# KiCad board latentpink.kicad_pcb (continued)
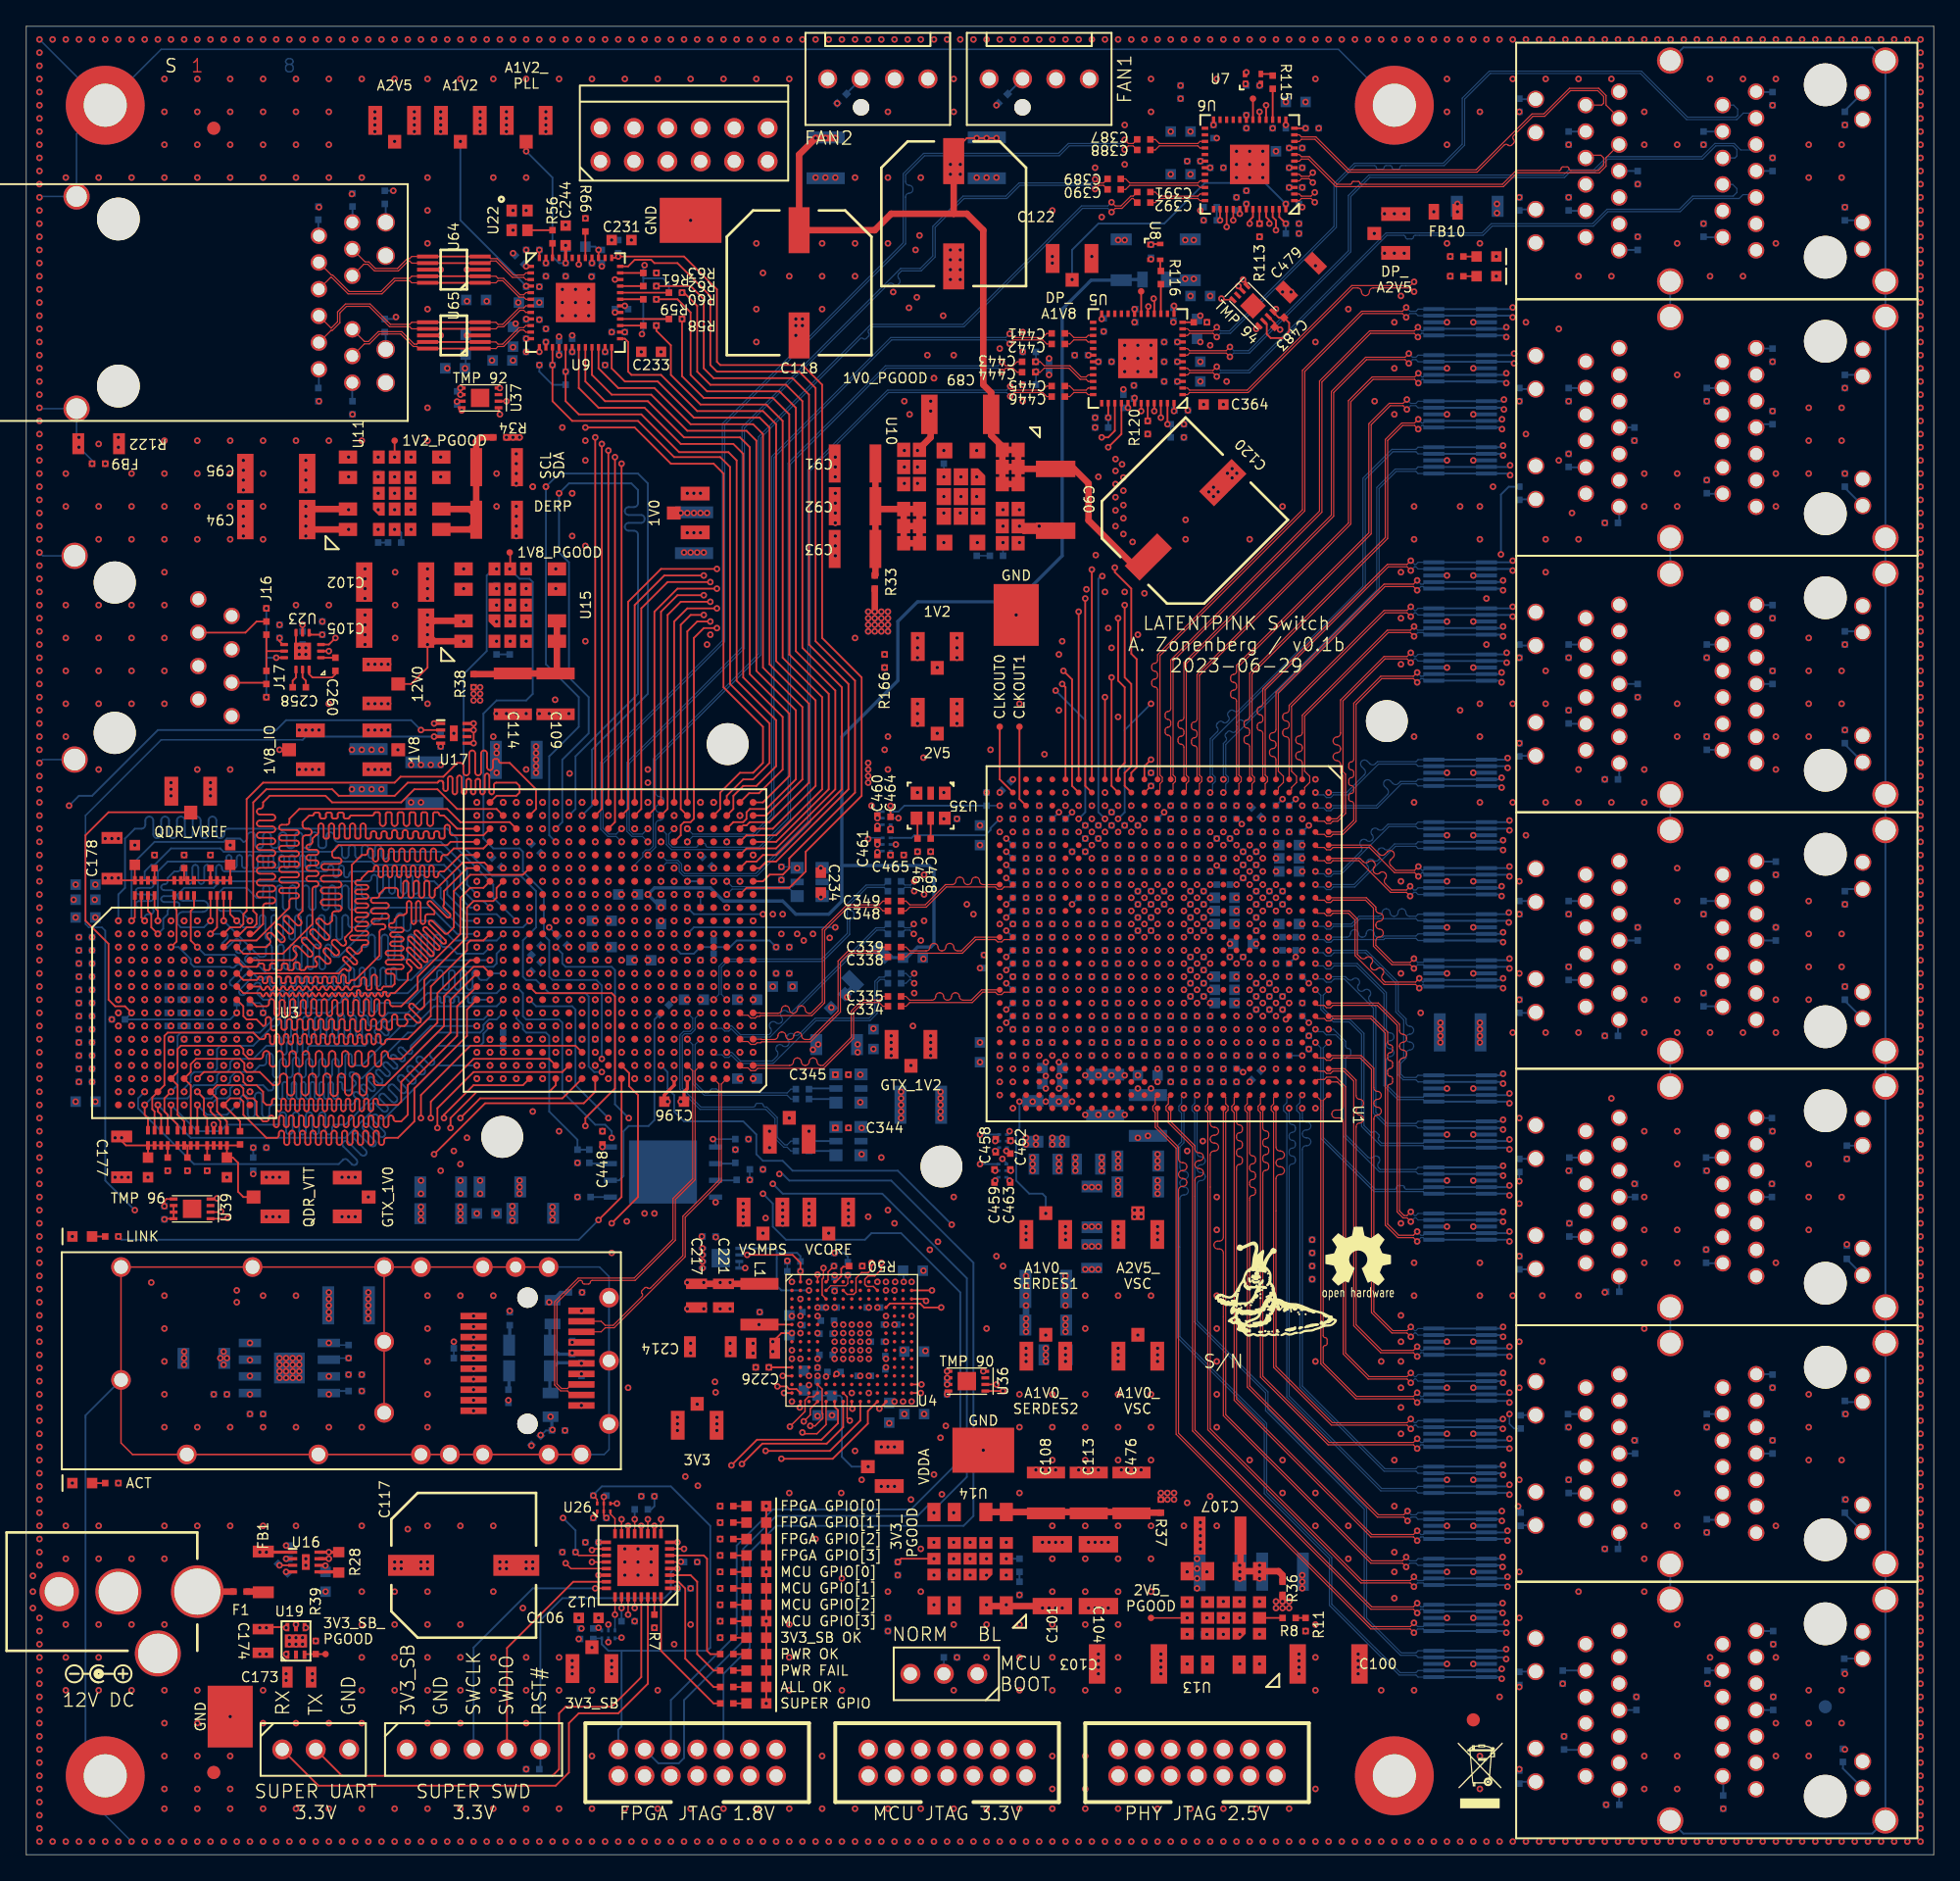
[diagram p0: board, top side]
## Routing (per net, layer and track width the routed paths; a pad name or vN(x,y) marks a point on that pad's centre or on a via; arc(x,y) is an arc through that point) (continued)
  In2.Cu w0.115: v1(82.8,106.1) 83,106.3 83,117.25 84.05,118.3 v1(85.7,118.3) 86.3,118.9 86.3,133.05 87.25,134 93.25,134 v1(94.25,133)
  In5.Cu w0.115: v1(82.8,106.1) 81.65,106.1 79.5,108.25 45.75,108.25 v1(44.25,106.75)
/SGMII PHYs/DP_MDIO: length 106.4
  Top w0.14: U6.17 v1(93.75,132.5) ; U5.17 85.25,117.65 v1(85.3,117.7) ; U2.Y12 44.75,78.5 v1(44.75,106.25)
  In2.Cu w0.115: v1(83.3,105.7) 83.4,105.8 83.4,109.09 85,110.69 85,117.4 v1(85.3,117.7) 86.2,117.7 87.5,119 87.5,133.25 v1(87.75,133.5) 92.75,133.5 v1(93.75,132.5)
  In5.Cu w0.115: v1(44.75,106.25) 46.5,108 79.25,108 81.55,105.7 v1(83.3,105.7)
/SGMII PHYs/ETH12_A_N: length 28.6
  Top w0.09: U6.2 96.78,126.25 96.94,126.09 97.67,126.09 v1(97.95,126.38)
  In2.Cu w0.081: v1(97.95,126.38) 98.24,126.09 109.44,126.09 111.54,123.98 115.39,123.98 117.69,121.69 119.36,121.69 120.01,122.34 120.01,123.21 119.83,123.4 118.99,123.4 J22.21
/SGMII PHYs/ETH12_A_P: length 28.7
  Top w0.09: v1(97.95,125.62) 97.67,125.91 96.94,125.91 96.78,125.75 U6.1
  In2.Cu w0.081: v1(97.95,125.62) 98.24,125.91 109.36,125.91 111.46,123.81 115.31,123.81 117.61,121.52 119.44,121.52 120.19,122.26 120.19,123.69 120.48,123.98 J22.15
/SGMII PHYs/ETH12_A_TAP: length 1.4
  Bottom w0.14: C450.1 121.12,122
/SGMII PHYs/ETH12_B_N: length 26.5
  Top w0.09: U6.5 96.78,127.75 96.94,127.59 97.52,127.59 v1(97.8,127.88)
  In2.Cu w0.081: v1(97.8,127.88) 98.09,127.59 116.46,127.59 116.96,128.09 119.74,128.09 120.09,127.74 120.09,126.99 J22.16
/SGMII PHYs/ETH12_B_P: length 26.6
  Top w0.09: U6.4 96.78,127.25 96.94,127.41 97.52,127.41 v1(97.8,127.12)
  In2.Cu w0.081: v1(97.8,127.12) 98.09,127.41 99.54,127.41 arc(99.61,127.38) 99.64,127.31 arc(99.68,127.23) 99.75,127.2 100.14,127.2 arc(100.21,127.23) 100.24,127.31 arc(100.28,127.38) 100.35,127.41 115.62,127.41 arc(115.68,127.39) 115.7,127.33 arc(115.73,127.27) 115.79,127.25 116.22,127.25 arc(116.28,127.27) 116.3,127.33 arc(116.33,127.39) 116.39,127.41 116.54,127.41 117.04,127.91 119.66,127.91 119.91,127.66 119.91,126.89 119.84,126.81 119.41,126.81 119.4,126.8 118.73,126.8
/SGMII PHYs/ETH12_B_TAP: length 1.3
  Bottom w0.14: J22.22 117.28,124.97
/SGMII PHYs/ETH12_C_N: length 27.4
  Top w0.09: U6.8 96.78,129.25 96.94,129.09 97.54,129.09 99.64,126.99 100.66,126.99 arc(100.74,127.02) 100.77,127.1 arc(100.8,127.18) 100.88,127.21 101.26,127.21 arc(101.34,127.18) 101.37,127.1 arc(101.4,127.02) 101.48,126.99 112.21,126.99 113.26,128.04 116.54,128.04 arc(116.63,128.08) 116.67,128.18 arc(116.71,128.27) 116.81,128.31 117.14,128.31 arc(117.23,128.27) 117.27,128.18 arc(117.31,128.08) 117.41,128.04 119.51,128.04 119.91,128.44 119.91,128.99 119.7,129.2 118.76,129.2
/SGMII PHYs/ETH12_C_P: length 27.3
  Top w0.09: U6.7 96.78,128.75 96.94,128.91 97.46,128.91 99.56,126.81 112.29,126.81 113.34,127.86 119.59,127.86 120.09,128.36 120.09,129.01 J22.18
/SGMII PHYs/ETH12_C_TAP: length 1.4
  Bottom w0.14: C452.1 J22.17
/SGMII PHYs/ETH12_D_N: length 29.7
  Top w0.09: J22.19 120.09,133.02 120.09,133.74 119.54,134.29 117.31,134.29 115.36,132.34 114.46,132.34 110.21,128.09 100.54,128.09 98.04,130.59 96.94,130.59 96.78,130.75 U6.11
/SGMII PHYs/ETH12_D_P: length 29.8
  Top w0.09: J22.26 119.76,133.01 119.91,133.16 119.91,133.66 119.46,134.11 117.39,134.11 115.44,132.16 114.54,132.16 113.06,130.69 arc(113,130.54) 113.06,130.4 arc(113.12,130.26) 113.06,130.11 112.93,129.97 arc(112.78,129.92) 112.64,129.97 arc(112.5,130.03) 112.35,129.97 110.29,127.91 100.46,127.91 97.96,130.41 96.94,130.41 96.78,130.25 U6.10
/SGMII PHYs/ETH12_D_TAP: length 1.3
  Bottom w0.14: J22.25 C453.1
/SGMII PHYs/ETH12_GPIO_0: length 81.3
  Top w0.14: v1(51.5,95.75) 49.5,95.75 48.25,94.5 U2.AB8 ; U6.39 v1(91.25,123.75)
  In2.Cu w0.115: v1(91.25,123.75) 91.25,115.75 92.3,114.7 92.3,110.3 84.6,102.6 v1(83.4,102.6)
  In5.Cu w0.115: v1(83.4,102.6) 81.4,102.6 78.03,99.22 78.03,97.53 77.5,97 55,97 53.75,95.75 v1(51.5,95.75)
/SGMII PHYs/ETH12_GPIO_1: length 82.7
  Top w0.14: U6.40 v1(91.75,124.25) ; U2.AA8 48.75,79.5 48.75,94.25 49.75,95.25 v1(52,95.25)
  In2.Cu w0.115: v1(91.75,124.25) 91.75,115.85 92.8,114.8 92.8,109.8 85.2,102.2 v1(82.8,102.2)
  In5.Cu w0.115: v1(52,95.25) 53.75,95.25 55.25,96.75 77.75,96.75 78.25,97.25 78.25,99 81.45,102.2 v1(82.8,102.2)
/SGMII PHYs/ETH12_INT_N: length 83.4
  Top w0.14: v1(51.5,94.25) 50.5,94.25 49.75,93.5 49.75,79.5 U2.AA6 ; U6.44 v1(93.75,124)
  In2.Cu w0.115: v1(93.75,124) 93.3,123.55 93.3,118.8 92.75,118.25 92.75,116 93.8,114.95 93.8,109.1 85.7,101 v1(82.8,101)
  In5.Cu w0.115: v1(51.5,94.25) 54.25,94.25 55.75,95.75 78.71,95.75 79.25,96.29 79.25,98.5 81.75,101 v1(82.8,101)
/SGMII PHYs/ETH12_LED0_1V8: length 87.5
  Top w0.14: v1(95.75,124) 95.25,124.5 U6.47
  In2.Cu w0.115: v1(51.25,80) 51.25,81.75 50.25,82.75 50.25,90.5 v1(51.75,92) ; v1(95.75,124) 95.75,122.05 97.3,120.5 97.3,115.7 95.75,114.15 95.75,105.45 87.1,96.8 84.3,96.8 84.3,96.86 82.36,98.8 v1(81.3,98.8)
  In5.Cu w0.115: v1(81.3,98.8) 80.8,98.8 80,98 80,95.75 79.25,95 57.75,95 54.75,92 v1(51.75,92)
  Bottom w0.14: v1(95.75,124) R140.1
/SGMII PHYs/ETH12_LED1_1V8: length 89.7
  Top w0.14: v1(52.5,93.25) 51.5,93.25 50.75,92.5 50.75,78.75 50.5,78.5 50,78.5 49.75,78.25 49.75,77.5 U2.W7 ; v1(95,123.5) 95,124.25 94.75,124.5 U6.46
  In2.Cu w0.115: v1(84.1,99.8) 85.4,98.5 87.9,98.5 95,105.6 95,114 97,116 97,119.3 95,121.3 v1(95,123.5)
  In5.Cu w0.115: v1(52.5,93.25) 54.75,93.25 56.75,95.25 79,95.25 79.75,96 79.75,98.25 81.3,99.8 v1(84.1,99.8)
/SGMII PHYs/ETH12_LED2_1V8: length 82.7
  Top w0.14: v1(94.5,124) 94.5,124.25 94.25,124.5 U6.45 ; v1(52,93.75) 51,93.75 50.25,93 U2.AB6
  In2.Cu w0.115: v1(94.5,124) 94.5,118.75 96.25,117 96.25,116 94.5,114.25 94.5,109.1 85.8,100.4 v1(83.4,100.4)
  In5.Cu w0.115: v1(52,93.75) 54.5,93.75 56.25,95.5 78.75,95.5 79.5,96.25 79.5,98.29 81.61,100.4 v1(83.4,100.4)
/SGMII PHYs/ETH12_RST_N: length 81.9
  Top w0.14: U2.AB7 49.25,93.75 50.25,94.75 v1(52.5,94.75) ; v1(93,124) 93,124.25 93.25,124.5 U6.43
  In2.Cu w0.115: v1(83.4,101.6) 85.4,101.6 93.3,109.5 93.3,114.95 92.25,116 92.25,118.5 93,119.25 v1(93,124)
  In5.Cu w0.115: v1(52.5,94.75) 53.75,94.75 55.25,96.25 78.25,96.25 78.75,96.75 78.75,98.75 81.6,101.6 v1(83.4,101.6)
/SGMII PHYs/ETH12_RX_CTRL_STRAP: length 1.9
  Top w0.14: U6.38 v1(90.75,124.25)
  Bottom w0.14: R137.1 R138.1
/SGMII PHYs/ETH12_SGMII_CLKOUT_AC_N: length 73.5
  Top w0.09: v1(81.25,126.62) 81.53,126.91 81.89,126.91 C390.2
  Bottom w0.09: v1(81.25,126.62) 80.96,126.91 75.54,126.91 74.54,125.91 71.29,125.91 69.09,123.71 69.09,121.46 68.04,120.41 66.54,120.41 66.34,120.21 arc(66.26,120.01) 66.34,119.82 arc(66.42,119.62) 66.34,119.43 66.31,119.39 arc(66.11,119.31) 65.91,119.39 arc(65.72,119.48) 65.52,119.39 64.94,118.81 54.59,108.46 54.59,91.71 45.84,82.96 45.84,77.87 46.12,77.59 46.84,77.59 v1(47.25,78)
/SGMII PHYs/ETH12_SGMII_CLKOUT_AC_P: length 73.4
  Top w0.09: C389.2 81.89,127.09 81.53,127.09 v1(81.25,127.38)
  Bottom w0.09: v1(47.25,77) 46.84,77.41 46.04,77.41 45.66,77.79 45.66,83.04 54.41,91.79 54.41,108.54 66.46,120.59 67.96,120.59 68.91,121.54 68.91,123.79 71.21,126.09 74.46,126.09 75.46,127.09 80.96,127.09 v1(81.25,127.38)
/SGMII PHYs/ETH12_SGMII_CLKOUT_N: length 6.6
  Top w0.09: C390.1 83.58,126.6 83.89,126.91 89.06,126.91 89.22,126.75 U6.34
/SGMII PHYs/ETH12_SGMII_CLKOUT_P: length 6.6
  Top w0.09: U6.33 89.22,127.25 89.06,127.09 83.89,127.09 83.58,127.4 C389.1
/SGMII PHYs/ETH12_SGMII_RX_AC_N: length 73.7
  Top w0.09: v1(82.5,124.88) 82.78,125.16 83.29,125.16 84.04,125.91 84.14,125.91 C392.2
  Bottom w0.09: v1(82.5,124.88) 82.22,125.16 80.29,125.16 71.29,116.16 64.29,116.16 64.04,115.91 arc(63.99,115.8) 64.04,115.68 arc(64.09,115.57) 64.04,115.46 63.84,115.26 arc(63.73,115.21) 63.61,115.26 arc(63.5,115.31) 63.39,115.26 55.84,107.71 55.84,91.21 47.84,83.21 47.84,80.74 arc(47.93,80.53) 48.14,80.44 48.17,80.44 arc(48.39,80.35) 48.47,80.14 arc(48.39,79.93) 48.17,79.84 48.14,79.84 arc(47.93,79.75) 47.84,79.54 arc(47.93,79.33) 48.14,79.24 48.17,79.24 arc(48.39,79.15) 48.47,78.94 arc(48.39,78.73) 48.17,78.64 48.14,78.64 arc(47.93,78.55) 47.84,78.34 47.84,76.59 v1(47.25,76)
/SGMII PHYs/ETH12_SGMII_RX_AC_P: length 73.6
  Top w0.09: C391.2 84.14,126.09 83.96,126.09 83.21,125.34 82.78,125.34 v1(82.5,125.62)
  Bottom w0.09: v1(46.25,75) 46.25,75.25 46.87,75.87 46.87,76.16 47.09,76.38 47.38,76.38 47.66,76.66 47.66,83.29 55.66,91.29 55.66,107.79 64.21,116.34 71.21,116.34 80.21,125.34 82.22,125.34 v1(82.5,125.62)
/SGMII PHYs/ETH12_SGMII_RX_N: length 4.3
  Top w0.09: U6.36 89.22,125.75 89.06,125.91 86.14,125.91 85.83,125.6 C392.1
/SGMII PHYs/ETH12_SGMII_RX_P: length 4.3
  Top w0.09: C391.1 85.83,126.4 86.14,126.09 89.06,126.09 89.22,126.25 U6.35
/SGMII PHYs/ETH12_SGMII_TX_AC_N: length 80.5
  Top w0.09: v1(83.5,129.62) 83.78,129.91 84.14,129.91 C388.2
  Bottom w0.09: v1(45.25,78) 44.84,77.59 44.29,77.59 43.84,78.04 43.84,82.96 53.09,92.21 53.09,108.71 66.84,122.46 66.84,126.03 arc(66.92,126.23) 67.12,126.31 arc(67.31,126.39) 67.4,126.59 67.4,126.63 arc(67.31,126.83) 67.12,126.91 arc(66.92,126.99) 66.84,127.19 66.84,127.71 68.29,129.16 78.54,129.16 79.29,129.91 83.21,129.91 v1(83.5,129.62)
/SGMII PHYs/ETH12_SGMII_TX_AC_P: length 80.4
  Top w0.09: v1(83.5,130.38) 83.78,130.09 84.14,130.09 C387.2
  Bottom w0.09: v1(83.5,130.38) 83.21,130.09 79.21,130.09 78.46,129.34 68.21,129.34 66.66,127.79 66.66,122.54 52.91,108.79 52.91,92.29 43.66,83.04 43.66,77.96 44.21,77.41 44.84,77.41 v1(45.25,77)
/SGMII PHYs/ETH12_SGMII_TX_N: length 4.3
  Top w0.09: U6.28 89.22,129.75 89.06,129.91 86.14,129.91 85.83,129.6 C388.1
/SGMII PHYs/ETH12_SGMII_TX_P: length 4.3
  Top w0.09: C387.1 85.83,130.4 86.14,130.09 89.06,130.09 89.22,130.25 U6.27
/SGMII PHYs/ETH13_A_N: length 57.9
  Top w0.09: v1(90.5,116.12) 90.22,115.84 88.44,115.84 88.28,116 U5.11
  Bottom w0.09: J22.13 129.79,133.01 130.1,132.7 130.1,132.23 129.96,132.09 126.29,132.09 122.79,135.59 111.21,135.59 109.16,133.54 109.16,130.04 107.71,128.59 100.96,128.59 99.41,127.04 99.41,123.79 91.46,115.84 90.78,115.84 v1(90.5,116.12)
/SGMII PHYs/ETH13_A_P: length 57.9
  Top w0.09: U5.10 88.28,115.5 88.44,115.66 90.22,115.66 v1(90.5,115.38)
  Bottom w0.09: 131.12,132.4 130.53,132.4 130.04,131.91 126.21,131.91 122.71,135.41 111.29,135.41 109.34,133.46 109.34,129.96 107.79,128.41 104.56,128.41 arc(104.47,128.37) 104.43,128.27 arc(104.39,128.18) 104.29,128.14 103.96,128.14 arc(103.87,128.18) 103.83,128.27 arc(103.79,128.37) 103.69,128.41 103.36,128.41 arc(103.27,128.37) 103.23,128.27 arc(103.19,128.18) 103.09,128.14 102.76,128.14 arc(102.67,128.18) 102.63,128.27 arc(102.59,128.37) 102.49,128.41 101.04,128.41 99.59,126.96 99.59,123.71 91.54,115.66 90.78,115.66 v1(90.5,115.38)
/SGMII PHYs/ETH13_A_TAP: length 1.2
  Bottom w0.14: C454.1 131.53,134
/SGMII PHYs/ETH13_B_N: length 53.3
  Top w0.09: v1(91.5,114.62) 91.22,114.34 88.44,114.34 88.28,114.5 U5.8
  Bottom w0.09: v1(91.5,114.62) 91.78,114.34 92.91,114.34 100.51,121.94 100.51,126.14 102.06,127.69 116.86,127.69 117.26,128.09 119.16,128.09 120.16,129.09 127.36,129.09 128.36,130.09 129.84,130.09 130.33,129.6 131.09,129.6 J22.5
/SGMII PHYs/ETH13_B_P: length 53.2
  Top w0.09: v1(91.5,113.88) 91.22,114.16 88.44,114.16 88.28,114 U5.7
  Bottom w0.09: v1(91.5,113.88) 91.78,114.16 92.99,114.16 100.69,121.86 100.69,126.06 102.14,127.51 116.94,127.51 117.34,127.91 119.24,127.91 120.24,128.91 127.44,128.91 128.44,129.91 129.76,129.91 130.04,129.64 130.04,129.14 129.89,128.99 J22.11
/SGMII PHYs/ETH13_B_TAP: length 1.5
  Bottom w0.14: J22.12 C455.1
/SGMII PHYs/ETH13_C_N: length 49.6
  Top w0.09: v1(90.5,113.12) 90.22,112.84 88.44,112.84 88.28,113 U5.5
  Bottom w0.09: v1(90.5,113.12) 90.78,112.84 92.91,112.84 103.36,123.29 110.66,123.29 111.36,123.99 119.06,123.99 120.16,125.09 125.66,125.09 126.66,126.09 129.76,126.09 130.04,126.36 130.04,126.66 129.72,126.98 J22.10
/SGMII PHYs/ETH13_C_P: length 49.6
  Top w0.09: v1(90.5,112.38) 90.22,112.66 88.44,112.66 88.28,112.5 U5.4
  Bottom w0.09: v1(90.5,112.38) 90.78,112.66 92.99,112.66 103.44,123.11 104.71,123.11 arc(104.81,123.07) 104.85,122.97 arc(104.89,122.87) 104.99,122.83 105.31,122.83 arc(105.41,122.87) 105.45,122.97 arc(105.49,123.07) 105.59,123.11 110.74,123.11 111.44,123.81 119.14,123.81 120.24,124.91 125.74,124.91 126.74,125.91 130.21,125.91 130.5,126.2 131.29,126.2
/SGMII PHYs/ETH13_C_TAP: length 1.3
  Bottom w0.14: C456.1 J22.4
/SGMII PHYs/ETH13_D_N: length 52.8
  Top w0.09: U5.2 88.28,111.5 88.44,111.34 92.81,111.34 100.76,119.29 105.22,119.29 v1(105.5,119.58)
  In2.Cu w0.081: v1(105.5,119.58) 105.79,119.29 120.56,119.29 123.81,122.54 123.81,125.24 124.66,126.09 129.94,126.09 130.49,125.54 130.49,124.99 J22.2
/SGMII PHYs/ETH13_D_P: length 52.8
  Top w0.09: U5.1 88.28,111 88.44,111.16 92.89,111.16 100.84,119.11 101.21,119.11 arc(101.42,119.02) 101.5,118.82 arc(101.59,118.61) 101.79,118.53 101.81,118.53 arc(102.02,118.61) 102.1,118.82 arc(102.19,119.02) 102.39,119.11 105.22,119.11 v1(105.5,118.83)
  In2.Cu w0.081: 129.53,124.97 129.74,124.76 130.24,124.76 130.31,124.84 130.31,125.46 129.86,125.91 124.74,125.91 123.99,125.16 123.99,122.46 120.64,119.11 105.79,119.11 v1(105.5,118.83)
/SGMII PHYs/ETH13_D_TAP: length 1.4
  Bottom w0.14: J22.8 127.54,122.96
/SGMII PHYs/ETH13_GPIO_0: length 70.6
  Top w0.14: U2.AB13 v1(43.25,107.75) ; U5.39 82.75,108.25 82.25,107.75 v1(81.75,107.75)
  In5.Cu w0.115: v1(43.25,107.75) 44.5,109 79.75,109 81,107.75 v1(81.75,107.75)
/SGMII PHYs/ETH13_GPIO_1: length 72.1
  Top w0.14: U2.AA13 43.75,79.5 v1(43.75,107.25) ; v1(82.25,107) 83.25,108 U5.40
  In5.Cu w0.115: v1(43.75,107.25) 45.25,108.75 79.71,108.75 81.46,107 v1(82.25,107)
/SGMII PHYs/ETH13_INT_N: length 63.8
  Top w0.14: U2.AB10 46.25,95 48.5,97.25 v1(51.5,97.25) ; U5.44 v1(85.25,109)
  In2.Cu w0.115: v1(82.8,104.2) 83.8,104.2 84.6,105 84.6,108.4 85.2,109 v1(85.25,109)
  In5.Cu w0.115: v1(82.8,104.2) 82.12,104.2 77.25,99.33 77.25,98.25 76.75,97.75 53.25,97.75 52.75,97.25 v1(51.5,97.25)
/SGMII PHYs/ETH13_LED0_1V8: length 66
  Top w0.14: v1(52.5,96.25) 49.5,96.25 47.75,94.5 47.75,79.5 U2.AA9 ; U5.47 v1(86.75,108.75)
  In2.Cu w0.115: v1(82.8,103.2) 84.4,103.2 86.7,105.5 86.7,108.7 v1(86.75,108.75)
  In5.Cu w0.115: v1(52.5,96.25) 53.75,96.25 54.75,97.25 77.25,97.25 77.75,97.75 77.75,99.25 81.7,103.2 v1(82.8,103.2)
  Bottom w0.115: R144.1 R143.1
/SGMII PHYs/ETH13_LED1_1V8: length 65.4
  Top w0.14: U5.46 v1(86.25,109.25) ; v1(52,96.75) 48.75,96.75 46.75,94.75 46.75,79.5 U2.AA10
  In2.Cu w0.115: v1(86.25,109.25) 85.7,108.7 85.7,105.2 84.2,103.7 v1(83.4,103.7)
  In5.Cu w0.115: v1(83.4,103.7) 81.91,103.7 77.5,99.29 77.5,98 77,97.5 54,97.5 53.25,96.75 v1(52,96.75)
/SGMII PHYs/ETH13_LED2_1V8: length 65.4
  Top w0.14: U5.45 v1(85.75,109.75) ; U2.AA11 45.75,79.5 45.75,95.25 48.25,97.75 v1(52.5,97.75)
  In2.Cu w0.115: v1(83.4,104.7) 84.2,105.5 84.2,108.51 85.44,109.75 v1(85.75,109.75)
  In5.Cu w0.115: v1(83.4,104.7) 82.2,104.7 77,99.5 77,98.5 76.5,98 52.75,98 v1(52.5,97.75)
/SGMII PHYs/ETH13_RST_N: length 71.4
  Top w0.14: U5.43 v1(84.75,109.75) ; U2.AB11 v1(45.25,105.75)
  In2.Cu w0.115: v1(84.75,109.75) 84.65,109.75 83.9,109 83.9,105.6 83.5,105.2 v1(82.8,105.2)
  In5.Cu w0.115: v1(45.25,105.75) 47,107.5 79,107.5 81.3,105.2 v1(82.8,105.2)
/SGMII PHYs/ETH13_RX_CTRL_STRAP: length 1.9
  Top w0.14: U5.38 v1(82.25,109.25)
  Bottom w0.14: v1(82.25,109.25) R141.1
/SGMII PHYs/ETH13_SGMII_CLKOUT_AC_N: length 59.9
  Top w0.09: v1(74.17,112.72) 74.45,113.01 75.01,113.01 75.32,112.7 C444.2
  Bottom w0.09: v1(74.17,112.72) 73.88,113.01 65.39,113.01 58.09,105.71 58.09,78.71 55.79,76.41 49.04,76.41 48.66,76.79 48.66,77.59 v1(48.25,78)
/SGMII PHYs/ETH13_SGMII_CLKOUT_AC_P: length 60
  Top w0.09: v1(74.17,113.47) 74.45,113.19 75.01,113.19 75.32,113.5 C443.2
  Bottom w0.09: v1(74.17,113.47) 73.88,113.19 65.31,113.19 57.91,105.79 57.91,78.79 55.71,76.59 51.81,76.59 arc(51.7,76.63) 51.66,76.74 arc(51.62,76.85) 51.51,76.89 51.21,76.89 arc(51.1,76.85) 51.06,76.74 arc(51.02,76.63) 50.91,76.59 49.12,76.59 48.84,76.87 48.84,77.59 v1(49.25,78)
/SGMII PHYs/ETH13_SGMII_CLKOUT_N: length 5.7
  Top w0.09: C444.1 77.08,112.7 77.39,113.01 79.26,113.01 80.11,112.16 80.56,112.16 80.72,112 U5.34
  Bottom w0.115: v1(76.75,112.75) 76.75,112
/SGMII PHYs/ETH13_SGMII_CLKOUT_P: length 5.7
  Top w0.09: C443.1 77.08,113.5 77.39,113.19 79.34,113.19 80.19,112.34 80.56,112.34 80.72,112.5 U5.33
  Bottom w0.115: R145.1 v1(76.75,113.5)
/SGMII PHYs/ETH13_SGMII_RX_AC_N: length 61.8
  Top w0.09: v1(74.8,110.88) 75.08,111.16 77.26,111.16 77.57,110.85 C446.2
  Bottom w0.09: v1(48.25,75) 48.66,75.41 49.46,75.41 49.63,75.24 49.63,74.74 49.96,74.41 55.54,74.41 59.59,78.46 59.59,105.21 65.54,111.16 74.52,111.16 v1(74.8,110.88)
/SGMII PHYs/ETH13_SGMII_RX_AC_P: length 61.8
  Top w0.09: v1(74.8,111.62) 75.08,111.34 77.26,111.34 77.57,111.65 C445.2
  Bottom w0.09: v1(74.8,111.62) 74.52,111.34 65.46,111.34 59.41,105.29 59.41,78.54 55.46,74.59 50.04,74.59 49.81,74.81 49.81,75.31 49.54,75.59 48.66,75.59 v1(48.25,76)
/SGMII PHYs/ETH13_SGMII_RX_N: length 2.3
  Top w0.09: C446.1 79.33,110.85 79.64,111.16 80.56,111.16 80.72,111 U5.36
/SGMII PHYs/ETH13_SGMII_RX_P: length 2.3
  Top w0.09: C445.1 79.33,111.65 79.64,111.34 80.56,111.34 80.72,111.5 U5.35
/SGMII PHYs/ETH13_SGMII_TX_AC_N: length 59.8
  Top w0.09: C442.2 77.57,114.85 77.26,115.16 75.03,115.16 v1(74.75,114.88)
  Bottom w0.09: v1(74.75,114.88) 74.47,115.16 65.79,115.16 56.84,106.21 56.84,78.96 55.29,77.41 50.66,77.41 v1(50.25,77)
/SGMII PHYs/ETH13_SGMII_TX_AC_P: length 59.8
  Top w0.09: v1(74.75,115.62) 75.03,115.34 77.26,115.34 77.57,115.65 C441.2
  Bottom w0.09: v1(74.75,115.62) 74.47,115.34 65.71,115.34 56.66,106.29 56.66,79.04 55.21,77.59 50.66,77.59 v1(50.25,78)
/SGMII PHYs/ETH13_SGMII_TX_N: length 2.3
  Top w0.09: U5.28 80.72,115 80.56,115.16 79.64,115.16 79.33,114.85 C442.1
/SGMII PHYs/ETH13_SGMII_TX_P: length 2.3
  Top w0.09: U5.27 80.72,115.5 80.56,115.34 79.64,115.34 79.33,115.65 C441.1
/SGMII PHYs/PHY_CLK_25MHZ_0: length 2.4
  Top w0.14: U6.15 R115.2
/SGMII PHYs/PHY_CLK_25MHZ_1: length 2.2
  Top w0.14: R116.2 U5.15
/TEMP_I2C_SCL: length 213.5
  Top w0.115: U37.2 v1(36.5,110.5) ; v1(61.4,44.75) 60.95,44.3 60.95,43.7 U4.A5
  Top w0.14: v1(14.8,48.9) 14.75,48.85 U39.2 ; U36.2 v1(73.75,35.75) ; 92.44,118.96 v1(92.15,119.25)
  In2.Cu w0.115: v1(16,42) 14.8,43.2 v1(14.8,48.9) ; v1(61.4,44.75) 62,45.35 62,57.34 65.3,60.64 65.3,76.8 66.75,78.25 66.75,96.25 ; v1(73.75,45.5) v1(73.75,35.75)
  In2.Cu w0.14: 66.75,96.25 65.5,97.5 65.5,109.25 v1(66.75,110.5)
  In5.Cu w0.115: v1(36.5,110.5) v1(66.75,110.5) 66.75,114.85 68.2,116.3 78.5,116.3 79.5,115.3 82.49,115.3 84.09,116.9 86.96,116.9 87.46,117.4 88.6,117.4 88.6,117.4 91.8,117.4 92.15,117.75 v1(92.15,119.25) ; v1(16,42) 17.3,43.3 46.95,43.3 47.25,43 56.6,43 58.6,45 61.15,45 v1(61.4,44.75) 62.5,44.75 63.25,45.5 v1(73.75,45.5)
/TEMP_I2C_SDA: length 219.2
  Top w0.09: U4.B5 61.15,43.25 62.29,43.25 62.45,43.41 v1(62.45,44.05)
  Top w0.115: U37.1 35.9,109.6 v1(36,109.5)
  Top w0.14: U36.1 v1(74.25,35.25) ; v1(15.3,48.4) 15.25,48.35 U39.1 ; v1(92.5,119.75) 92.79,119.46 U38.1
  In2.Cu w0.115: 67.1,96.15 67.1,74.85 66.5,74.25 66.5,59.75 64.75,58 64.75,55.5 63,53.75 63,44.6 v1(62.45,44.05) ; v1(74.25,44.75) v1(74.25,35.25) ; v1(15.3,48.4) 15.3,43.6 v1(16,42.9)
  In2.Cu w0.14: v1(67.15,109.5) 67.25,109.5 68.5,108.25 68.5,97.56 67.1,96.15
  In5.Cu w0.115: v1(74.25,44.75) 74.2,44.8 66.8,44.8 66.05,44.05 v1(62.45,44.05) 62.01,44.05 60.36,42.4 59.6,42.4 59.6,42.4 59.4,42.4 59.1,42.7 47.6,42.7 45.4,40.5 36.4,40.5 35.3,41.6 27.9,41.6 26.4,40.1 16.1,40.1 15.3,40.9 15.3,42.2 v1(16,42.9) ; v1(36,109.5) v1(67.15,109.5) 67.15,110.25 68.2,111.3 69.5,111.3 70.7,110.1 76.8,110.1 78.9,112.2 85.8,112.2 86.4,112.8 89.11,112.8 92.54,116.23 92.54,119.71 v1(92.5,119.75)
Net-(C121-Pad1): length 0.5
  Top w0.14: v1(22.74,21.97) 22.71,22 U16.6
Net-(C235-Pad2): length 1.2
  Bottom w0.14: C235.2 24.8,124.12
Net-(C236-Pad2): length 1.2
  Bottom w0.14: C236.2 22.2,123.12
Net-(C237-Pad2): length 1.4
  Bottom w0.14: J5.1 22.24,111.54
Net-(C238-Pad2): length 1.4
  Bottom w0.14: J5.7 24.78,110.52
Net-(C258-Pad1): length 1.5
  Top w0.14: C258.1 21.25,89.25 21,89.5 U23.11
Net-(C258-Pad2): length 1.5
  Top w0.14: C258.2 20.25,89.25 20.5,89.5 U23.10
Net-(C259-Pad1): length 0.6
  Top w0.14: v1(19.25,92.5) 19.25,92.25 19.5,92
Net-(C260-Pad1): length 1.1
  Top w0.14: U23.1 C260.1
Net-(C260-Pad2): length 2.8
  Top w0.14: C260.2 23.5,89.75 23.25,89.5 21.75,89.5 21.5,89.75 U23.12
Net-(C261-Pad1): length 1.1
  Top w0.14: v1(22.5,92.75) 21.65,92.75 U23.4
Net-(C340-Pad1): length 1.7
  Bottom w0.14: C340.1 61.22,53.5
Net-(C341-Pad1): length 2
  Bottom w0.14: U24.5 C341.1
Net-(C342-Pad1): length 1.8
  Bottom w0.14: C342.1 61.28,57.45
Net-(C343-Pad1): length 2
  Bottom w0.14: U25.5 59.55,58.25
Net-(C467-Pad1): length 1.5
  Top w0.14: C467.1 67.75,78.72
Net-(C468-Pad1): length 1.6
  Top w0.14: C468.1 U35.5
Net-(C471-Pad2): length 1.4
  Bottom w0.25: C471.2 36.7,35.4
Net-(C472-Pad2): length 1.5
  Bottom w0.25: R136.2 36.75,38.79
Net-(D1-Pad2): length 1
  Top w0.14: D1.2 R24.2
Net-(D2-Pad2): length 1
  Top w0.14: D2.2 R25.2
Net-(D3-Pad2): length 1
  Top w0.14: D3.2 R26.2
Net-(D4-Pad2): length 1
  Top w0.14: D4.2 R27.2
Net-(D5-Pad2): length 1
  Top w0.14: D5.2 R53.2
Net-(D6-Pad2): length 1
  Top w0.14: D6.2 R153.2
Net-(D7-Pad2): length 1
  Top w0.14: R154.2 D7.2
Net-(D8-Pad2): length 1
  Top w0.14: R156.2 D8.2
Net-(D9-Pad2): length 1
  Top w0.14: D9.2 R157.2
Net-(D10-Pad2): length 1
  Top w0.14: R158.2 D10.2
Net-(D11-Pad2): length 1
  Top w0.14: R159.2 D11.2
Net-(D12-Pad2): length 1
  Top w0.14: R160.2 D12.2
Net-(D13-Pad2): length 1
  Top w0.14: R161.2 D13.2
Net-(D14-Pad2): length 1
  Top w0.14: R162.2 D14.2
Net-(D15-Pad2): length 1
  Top w0.14: R163.2 D15.2
Net-(D16-Pad2): length 1
  Top w0.14: R164.2 D16.2
Net-(D17-Pad2): length 1
  Top w0.14: R165.2 D17.2
Net-(F1-Pad2): length 1.2
  Top w0.5: F1.2 17.96,20
Net-(J5-Pad14): length 1.2
  Bottom w0.14: J5.14 27.32,115.68
Net-(J5-Pad16): length 1.3
  Bottom w0.14: J5.16 27.32,125.43
Net-(J15-Pad2): length 1.2
  Bottom w0.115: R48.2 J15.2
Net-(J22-Pad28): length 1.2
  Bottom w0.14: R149.2 139.44,124.25
Net-(J22-Pad30): length 1.9
  Bottom w0.14: J22.30 138.25,132.6
Net-(J22-Pad32): length 1.2
  Bottom w0.14: J22.32 113.58,125.08
Net-(J22-Pad34): length 1.2
  Bottom w0.14: J22.34 113.54,133.46
Net-(R1-Pad1):
  vias: v1(72.3,99.75)
Net-(R1-Pad2): length 1
  Bottom w0.115: R1.2 R2.2
Net-(R5-Pad1): length 1.4
  Bottom w0.14: v1(28,100.75) 28.25,100.75 28.5,100.5 R5.1
Net-(R5-Pad2): length 0.8
  Bottom w0.14: R5.2 R6.2
Net-(R8-Pad1): length 1.8
  Top w0.14: R8.1 U13.4
Net-(R9-Pad1): length 1
  Bottom w0.14: R9.1 v1(74.5,22.5)
Net-(R10-Pad1):
  vias: v1(36.79,92.25)
Net-(R10-Pad2): length 1
  Bottom w0.14: R13.2 R10.2
Net-(R11-Pad2): length 0.8
  Top w0.14: R8.2 R11.2
Net-(R12-Pad2): length 0.8
  Bottom w0.14: R9.2 R12.2
Net-(R43-Pad2): length 0.6
  Bottom w0.14: v1(49.25,65) R43.2
Net-(R44-Pad2):
  vias: v1(49.25,66)
Net-(R45-Pad2):
  vias: v1(50.25,66)
Net-(R46-Pad2):
  vias: v1(51.25,67)
Net-(R47-Pad2):
  vias: v1(17,64)
Net-(R50-Pad2): length 1.9
  Top w0.14: U4.A6 61.53,43.55 61.95,43.97 61.95,44.55 62.1,44.7 62.5,44.7
Net-(R56-Pad2): length 1.9
  Top w0.14: U22.3 R56.2
Net-(R76-Pad2):
  vias: v1(38.25,68)
Net-(R80-Pad1):
  vias: v1(54.25,66)
Net-(R80-Pad2):
  vias: v1(55.25,66)
Net-(R83-Pad2): length 92.7
  In5.Cu w0.115: v1(113.41,26.48) 113.14,26.75 108.25,26.75 100.5,34.5 100.5,76.75 100,77.25 97.75,77.25 96.75,78.25 95.75,78.25 95.5,78.5 95.5,79.25 94.5,80.25 94.5,87 94,87.5 v1(85.5,87.5)
  Bottom w0.115: v1(113.41,26.48) 113.6,26.29 R83.2
  Bottom w0.14: v1(83,78.75) 83.5,79.25 83.5,85.5 v1(85.5,87.5)
Net-(R84-Pad2): length 117.8
  Top w0.14: U1.V1 v1(82,88)
  In5.Cu w0.115: v1(138.3,27) 137.8,27.5 130.5,27.5 129.5,28.5 127.25,28.5 126.25,29.5 120.25,29.5 119.27,30.48 105.02,30.48 101,34.5 101,78.25 100,79.25 96.5,79.25 96,79.75 96,87.25 95.25,88 v1(82,88)
Net-(R85-Pad2): length 79.1
  Top w0.14: v1(82.5,89.5) 82.5,81.25 U1.U2
  In5.Cu w0.115: v1(113.5,45.5) 105.75,45.5 102.5,48.75 102.5,79.5 98.75,83.25 98.75,88.25 97.5,89.5 v1(82.5,89.5)
Net-(R86-Pad2): length 107.7
  In2.Cu w0.115: v1(82.5,91.75) 83,91.25 83,88.5 83.5,88 83.5,80.25 v1(83,79.75)
  In5.Cu w0.115: v1(138.4,46.4) 134.1,50.7 134.1,55.7 132.6,57.2 128.5,57.2 127.2,55.9 124.3,55.9 123.3,56.9 113.7,56.9 113.2,56.4 105.1,56.4 103.5,58 103.5,80 99.75,83.75 99.75,89 97,91.75 v1(82.5,91.75)
Net-(R87-Pad2): length 63.8
  In2.Cu w0.115: v1(84.5,92.75) 84.5,79.25 v1(84,78.75)
  In5.Cu w0.115: v1(84.5,92.75) 98.25,92.75 100.75,90.25 100.75,84.5 102,83.25 103.5,83.25 109.25,77.5 109.25,68.75 110.75,67.25 110.75,66.25 112,65 v1(113.5,65)
Net-(R88-Pad2): length 83.2
  Top w0.14: U1.U1 83,82.5 83.5,83 83.5,88.75 83,89.25 v1(83,94)
  In5.Cu w0.115: v1(138.25,66) 133.75,70.5 133.75,75.5 130,79.25 112.75,79.25 111,81 111,82.25 99.25,94 v1(83,94)
Net-(R89-Pad2): length 51.6
  Top w0.14: U1.T2 83.5,81.25 83.5,82.25 84,82.75 84,89 83.5,89.5 v1(83.5,95)
  In5.Cu w0.115: v1(83.5,95) 101.75,95 104.75,92 110,92 110.5,91.5 110.5,88.75 113.5,85.75 v1(113.5,84.5)
